# Altium PCB PCB.PcbDoc (part 3 of 3)
Units mil, origin at the board's own origin, x right, y up, seen from the top; angles counter-clockwise.
Board outline 3885.47 x 1391.81 mil, 4 copper layers (Top Layer, Mid Layer 1, Mid Layer 2, Bottom Layer), stack 39.339 mil thick; 184 components, 161 nets, 743 pads, 601 vias.
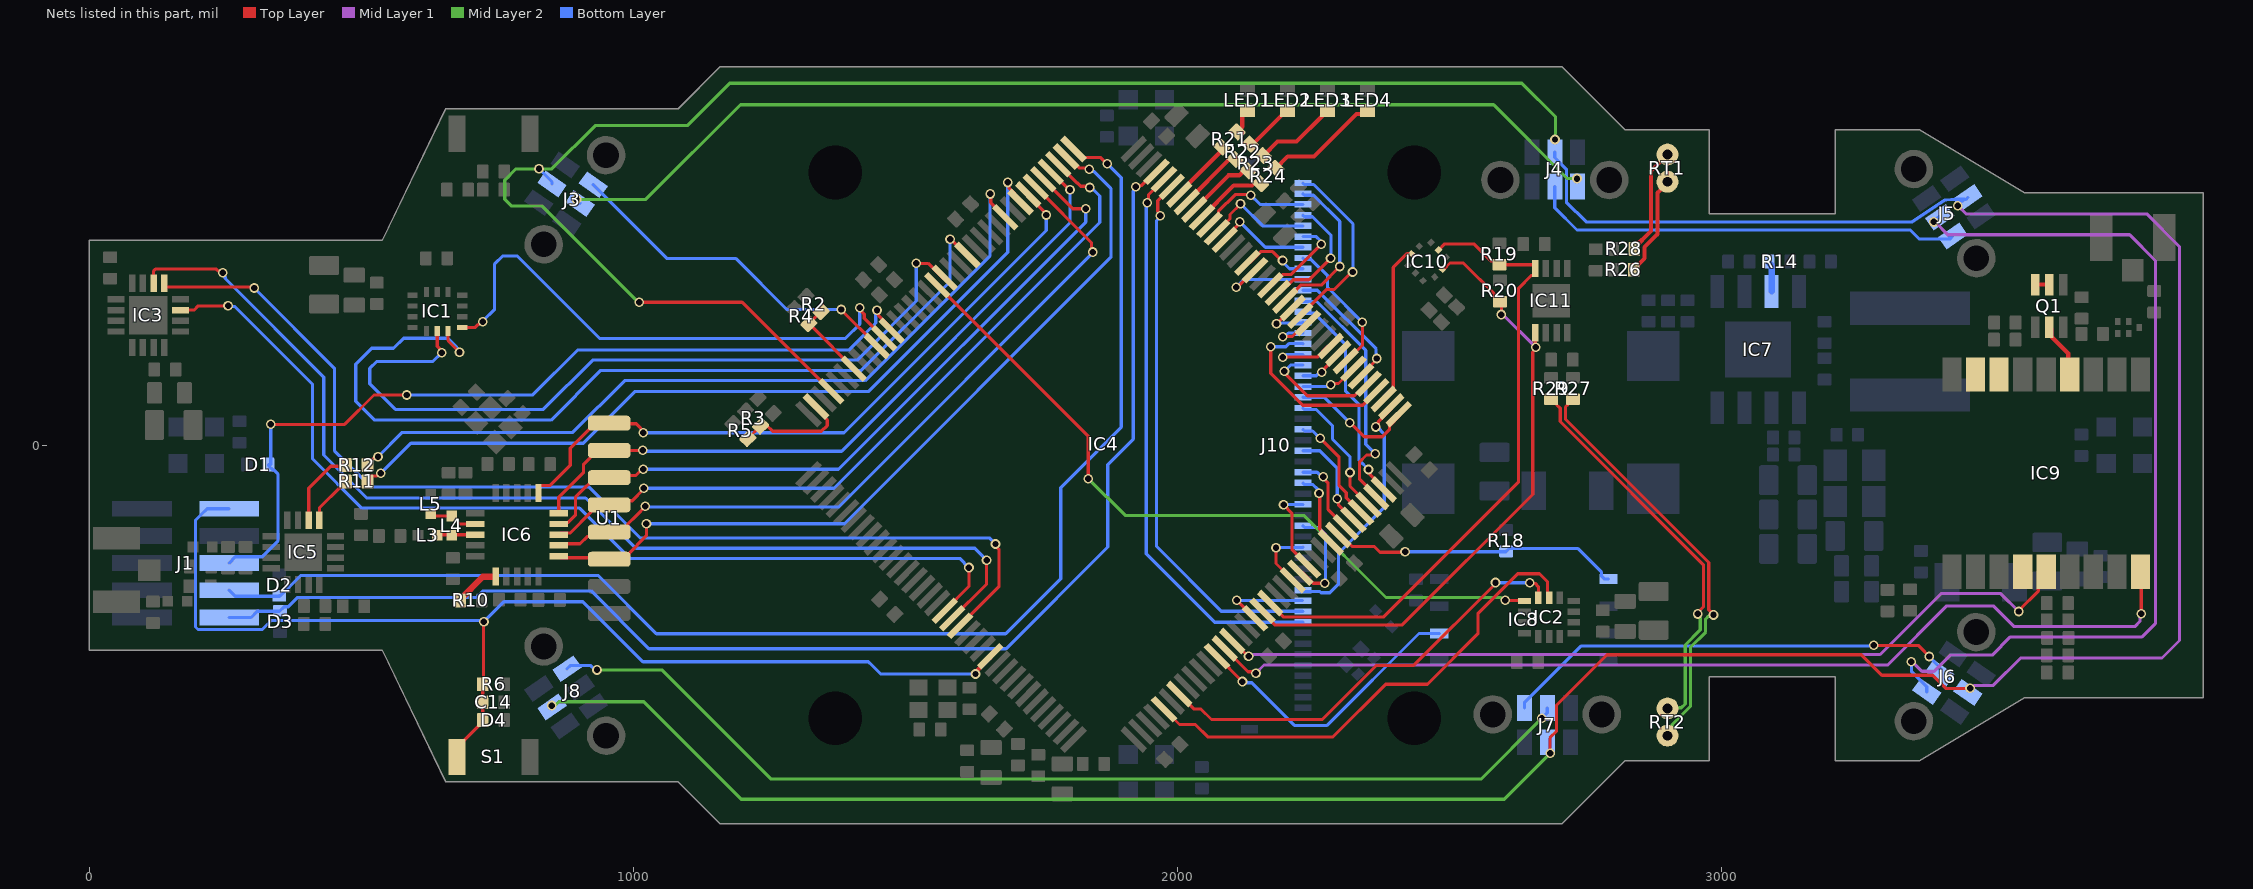
[diagram p5: the nets of this part, all layers, seen from the top]

## Via types
v1: diameter 17.72, hole 11.81, Top Layer to Bottom Layer, tented both sides, 601 vias

## Nets (pads, with @x,y where several pads share a name; then routed paths per layer and width w, separated by ;. In a path a pad name is that pad's centre, name@x,y a point inside that pad or via, vN(x,y) a via of type N, cw(c..) or ccw(c..) an arc to the next point about the centre after c; other vN are vias at no path point) (continued)
NetIC4_48: IC4.48 IC8.6 | length 531.2
  Top Layer w5.91: IC4.48@2072.87,-387.44 2072.87,-387.52 2119.49,-434.13 v1(2119.49,-434.21)
  Bottom Layer w5.91: v1(2119.49,-434.21) 2121.75,-436.47 2136.77,-436.47 2215.06,-514.76 2274.98,-514.76 2443.88,-345.87 IC8.6@2481.3,-345.87
NetIC4_49: IC4.49 IC9.9 | length 1864.6
  Top Layer w5.91: IC4.49@2086.79,-373.52 2129.65,-416.38 2142.05,-416.38 v1(2144.31,-418.64) ; IC9.9@3769.83,-232.28 3771.19,-233.64 v1(3771.19,-309.85)
  Mid Layer 1 w5.91: v1(2144.31,-418.64) 2159.15,-403.8 3305.27,-403.8 3413.8,-295.27 3499.59,-295.27 3537.61,-333.29 3759.35,-333.29 3768.93,-323.71 3768.93,-312.11 v1(3771.19,-309.85)
NetIC4_50: IC4.50 IC9.5 | length 1612.3
  Top Layer w5.91: IC4.50@2100.71,-359.6 2101.8,-359.6 2129.62,-387.42 v1(2130.72,-387.42) ; v1(3546.17,-305.47) 3546.17,-303.64 3581.84,-267.97 3581.84,-247.05 IC9.5@3596.61,-232.28
  Mid Layer 1 w5.91: v1(2130.72,-387.42) 2132.98,-385.16 2139.4,-385.16 2140.08,-384.49 3291.25,-384.49 3403.18,-272.55 3513.25,-272.55 v1(3546.17,-305.47)
NetIC4_53: IC4.53 J10.40 | length 168
  Top Layer w5.91: v1(2109.25,-284.62) IC4.53@2142.47,-317.84
  Bottom Layer w5.91: v1(2109.25,-284.62) 2109.83,-285.2 J10.40@2230.02,-285.2
NetIC4_54: IC4.54 IC10.2 IC11.5 R20.1 | length 1165.3
  Top Layer w5.91: IC4.54@2156.39,-303.92 2156.39,-307.43 2178.99,-330.02 2413.44,-330.02 2652.98,-90.49 2652.98,171.43 2658.46,176.92 v1(2658.46,180.12) ; IC10.2@2486.86,323.32 2489.3,323.32 2500.98,335 2525.2,335 2582.98,277.21 2582.98,271.75 2590.86,263.87 R20.1@2592.6,263.87 ; R20.1@2592.72,263.87 2594.69,263.87 2595.34,263.22 v1(2595.34,240.21) ; v1@2657.48,180.12 IC11.5@2657.48,206.69
  Mid Layer 1 w5.91: v1(2595.34,240.21) 2598.37,240.21 v1(2658.46,180.12)
NetIC4_55: IC4.55 IC10.4 IC11.4 R19.1 | length 1181.2
  Top Layer w5.91: IC4.55@2170.31,-290.01 2170.31,-290.9 2195.13,-315.72 2378.52,-315.72 2626.97,-67.28 2626.97,288.63 2650.34,312.01 2654.53,312.01 2657.48,314.96 IC11.4@2657.48,324.8 2657.48,328.83 2654.53,331.79 R19.1@2591.73,331.79 2584.7,338.82 2575.7,338.82 2544.53,369.99 2491.05,369.99 IC10.4@2479.87,358.81
NetIC4_58: IC4.58 J10.35 | length 122.8
  Top Layer w5.91: v1(2181.1,-187.99) 2181.1,-217.28 IC4.58@2212.07,-248.25
  Bottom Layer w5.91: v1(2181.1,-187.99) 2181.42,-187.67 2230.28,-187.67 J10.35@2230.6,-187.35
NetIC4_59: IC4.59 J10.33 | length 190.7
  Top Layer w5.91: IC4.59@2225.99,-234.33 2230.16,-234.33 2249.34,-253.51 v1(2270.42,-253.51)
  Bottom Layer w5.91: J10.33@2230.6,-147.98 2233.55,-150.94 2259.2,-150.94 2271.96,-163.7 2271.96,-251.96 v1(2270.42,-253.51)
NetIC4_60: IC4.60 J10.31 | length 165.4
  Top Layer w5.91: v1(2195.05,-109.5) 2210.43,-124.88 2210.43,-190.93 IC4.60@2239.91,-220.41
  Bottom Layer w5.91: v1(2195.05,-109.5) 2195.49,-109.06 2230.16,-109.06 J10.31@2230.6,-108.61
NetIC4_63: IC4.63 J10.29 | length 139.7
  Top Layer w5.91: v1(2260.19,-87.98) 2261.7,-89.49 2261.7,-154.51 2281.67,-174.47 IC4.63@2281.67,-178.65
  Bottom Layer w5.91: J10.29@2230.6,-69.24 2233.55,-72.2 2249.15,-72.2 2257.93,-80.98 2257.93,-85.72 v1(2260.19,-87.98)
NetIC4_64: IC4.64 IC8.1 R18.1 | length 540.1
  Top Layer w5.91: IC4.64@2295.59,-164.73 2299.76,-164.73 2321.02,-185.99 2361.66,-185.99 2372.21,-196.54 2417.64,-196.54 v1(2418.31,-195.87)
  Bottom Layer w5.91: v1(2418.31,-195.87) 2603.33,-195.87 2609.33,-189.87 2736.32,-189.87 2779.17,-232.71 2779.17,-239.96 2785.07,-245.87 IC8.1@2792.32,-245.87
NetIC4_65: IC4.65 J10.28 | length 151
  Top Layer w5.91: v1(2268.02,-57.8) 2268.02,-60.99 2276.93,-69.89 2276.93,-118.23 IC4.65@2309.5,-150.81
  Bottom Layer w5.91: J10.28@2230.6,-49.56 2256.59,-49.56 2264.83,-57.8 v1(2268.02,-57.8)
NetIC4_66: IC4.66 J10.26 | length 183.3
  Top Layer w5.91: v1(2293.66,-98.3) 2295.92,-100.56 2295.92,-109.39 IC4.66@2323.42,-136.89
  Bottom Layer w5.91: J10.26@2230.6,-10.19 2261.6,-10.19 2293.66,-42.25 v1(2293.66,-98.3)
NetIC4_67: IC4.67 J10.24 | length 205.3
  Top Layer w5.91: v1(2262.56,12.74) 2297.14,-21.85 2297.14,-74.18 2310.39,-87.43 2310.39,-96.5 IC4.67@2336.86,-122.97
  Bottom Layer w5.91: J10.24@2230.6,29.18 2233.55,26.23 2248.41,26.23 2261.9,12.74 v1(2262.56,12.74)
NetIC4_68: IC4.68 J10.22 | length 240.5
  Top Layer w5.91: v1(2317.17,-50.06) 2317.17,-74.96 IC4.68@2351.26,-109.05
  Bottom Layer w5.91: J10.22@2230.6,68.55 2233.55,65.6 2255.55,65.6 2284.92,36.23 2284.92,11.34 2317.17,-20.91 v1(2317.17,-50.06)
NetIC4_69: IC4.69 J10.12 | length 462.9
  Top Layer w5.91: v1(2363.49,-15.58) 2361.23,-17.84 2347.46,-17.84 2334.36,-30.95 2334.36,-61.44 2365.18,-92.27 IC4.69@2365.18,-95.13
  Bottom Layer w5.91: J10.12@2230.6,265.4 2231.91,264.09 2256.48,264.09 2346.23,174.34 2346.23,1.89 2363.49,-15.37 v1(2363.49,-15.58)
NetIC4_70: IC4.70 J10.13 | length 398.7
  Top Layer w5.91: v1(2351.09,-44.58) 2353.35,-46.84 2353.35,-53.38 2379.1,-79.13 IC4.70@2379.1,-81.21
  Bottom Layer w5.91: J10.13@2230.6,245.72 2233.06,243.25 2250.51,243.25 2309.06,184.71 2309.06,99.41 2333.86,74.6 2333.86,-27.35 v1(2351.09,-44.58)
NetIC4_73: IC4.73 J10.21 | length 229.7
  Top Layer w5.91: v1(2316.68,41.71) 2317.76,41.71 2343.65,15.82 2376.07,15.82 2389.85,29.6 2389.85,36.05 2406.94,53.14 IC4.73@2406.94,57.31
  Bottom Layer w5.91: J10.21@2230.6,88.24 2270.15,88.24 v1(2316.68,41.71)
NetIC4_74: IC4.74 J10.39 | length 456.5
  Top Layer w5.91: v1(2364.25,33.7) 2366.02,33.7 2368.99,36.68 2368.99,43.03 2393.02,67.06 IC4.74@2393.02,71.23
  Bottom Layer w5.91: J10.39@2230.6,-266.09 2233.48,-268.98 2261.89,-268.98 2264.05,-271.14 2279.88,-271.14 2296.17,-254.85 2296.17,-197.93 2380.22,-113.89 2380.22,20.44 2366.96,33.7 v1(2364.25,33.7)
NetIC4_75: IC4.75 IC10.7 | length 293.4
  Top Layer w5.91: IC4.75@2379.1,85.15 2379.1,89.33 2396.78,107 2396.78,326.92 2421.74,351.88 2426.98,351.88 2427.33,352.23 2427.68,351.88 IC10.7@2430.46,351.88
NetIC4_76: IC4.76 J10.16 | length 339.5
  Top Layer w5.91: v1(2171.51,181.24) 2171.51,132.35 2230.28,73.58 2340.65,73.58 2365.18,98.12 IC4.76@2365.18,99.07
  Bottom Layer w5.91: v1(2171.51,181.24) 2199.26,181.24 2204.86,186.84 2230.43,186.84 J10.16@2230.6,186.66
NetIC4_77: IC4.77 J10.18 | length 222.9
  Top Layer w5.91: v1(2196.66,136.22) 2196.66,133.05 2238.84,90.87 2325.36,90.87 2347.48,112.99 IC4.77@2351.26,112.99
  Bottom Layer w5.91: v1(2196.66,136.22) 2207.73,147.29 J10.18@2230.6,147.29
NetIC4_78: IC4.78 J10.11 | length 241.9
  Top Layer w5.91: IC4.78@2337.34,126.91 2337.34,128.78 2366.14,157.58 v1(2366.14,159.45)
  Bottom Layer w5.91: J10.11@2230.6,285.09 2257.24,285.09 2365.16,177.17 2365.16,160.43 v1(2366.14,159.45)
NetIC4_79: IC4.79 J10.20 | length 106.5
  Top Layer w5.91: v1(2281.5,111.22) 2283.76,113.48 2296.08,113.48 IC4.79@2323.42,140.83
  Bottom Layer w5.91: J10.20@2230.6,107.92 2275,107.92 2278.3,111.22 v1(2281.5,111.22)
NetIC4_80: IC4.80 J10.8 | length 255.8
  Top Layer w5.91: IC4.80@2309.5,154.75 2311.33,154.75 2339.97,183.38 v1(2339.97,226.02)
  Bottom Layer w5.91: J10.8@2230.6,344.14 2233.55,341.19 2246.21,341.19 2275.97,311.43 2275.97,290.02 v1(2339.97,226.02)
NetIC4_81: IC4.81 J10.19 | length 84.4
  Top Layer w5.91: v1(2265.24,134.28) 2265.24,136.3 2295.59,166.64 IC4.81@2295.59,168.67
  Bottom Layer w5.91: J10.19@2230.6,127.61 2255.37,127.61 2262.05,134.28 v1(2265.24,134.28)
NetIC4_82: IC4.82 J10.17 | length 135.5
  Top Layer w5.91: v1(2193.67,162.07) 2256.97,162.07 2277.49,182.59 IC4.82@2281.67,182.59
  Bottom Layer w5.91: v1(2193.67,162.07) 2196.86,162.07 2201.77,166.98 J10.17@2230.6,166.98
NetIC4_85: IC4.85 J10.15 | length 96.3
  Top Layer w5.91: v1(2193.72,199.35) 2194.42,200.05 2211.44,200.05 2235.73,224.35 IC4.85@2239.91,224.35
  Bottom Layer w5.91: v1(2193.72,199.35) 2196.92,199.35 2203.91,206.35 J10.15@2230.6,206.35
NetIC4_86: IC4.86 J10.1 | length 341
  Top Layer w5.91: IC4.86@2225.99,238.26 2274.15,286.43 2288.7,286.43 2320.68,318.41 v1(2321.82,318.41)
  Bottom Layer w5.91: J10.1@2230.6,481.94 2233.27,479.26 2250.29,479.26 2322.69,406.86 2322.69,319.28 v1(2321.82,318.41)
NetIC4_87: IC4.87 J10.14 | length 91.5
  Top Layer w5.91: v1(2182.09,223.43) 2182.7,223.43 2211.46,252.18 IC4.87@2212.07,252.18
  Bottom Layer w5.91: v1(2182.09,223.43) 2183.39,224.73 2229.29,224.73 J10.14@2230.6,226.03
NetIC4_88: IC4.88 J10.2 | length 297.3
  Top Layer w5.91: IC4.88@2198.15,266.1 2226.35,294.31 2264.14,294.31 v1(2298.39,328.56)
  Bottom Layer w5.91: J10.2@2230.6,462.25 2233.46,459.39 2250.11,459.39 2298.14,411.36 2298.14,350.47 ; v1@2298.15,328.82 2298.15,350.47
NetIC4_89: IC4.89 J10.4 | length 233.2
  Top Layer w5.91: IC4.89@2184.23,280.02 2188.41,280.02 2212.53,304.15 2242.03,304.15 v1(2281.42,343.54)
  Bottom Layer w5.91: J10.4@2230.6,422.88 2233.55,419.93 2248.24,419.93 2282.27,385.9 2282.27,344.39 v1(2281.42,343.54)
NetIC4_90: IC4.90 J10.6 | length 167.9
  Top Layer w5.91: IC4.90@2170.31,293.94 2174.49,293.94 2194.54,313.99 2209.13,313.99 v1(2264.34,369.2)
  Bottom Layer w5.91: J10.6@2230.6,383.51 2255.2,383.51 2262.08,376.63 2262.08,371.46 v1(2264.34,369.2)
NetIC4_92: IC4.92 J10.10 | length 175.5
  Top Layer w5.91: v1(2108.27,290.35) 2109.66,290.35 2141.08,321.78 IC4.92@2142.47,321.78
  Bottom Layer w5.91: v1(2108.27,290.35) 2122.69,304.77 J10.10@2230.6,304.77
NetIC4_93: IC4.93 J10.9 | length 124.9
  Top Layer w5.91: IC4.93@2128.55,335.7 2132.73,335.7 2152.89,355.87 2174.81,355.87 2191.59,339.08 v1@2193.17,339.08
  Bottom Layer w5.91: v1(2193.17,339.57) 2193.17,337.28 2205.99,324.46 J10.9@2230.6,324.46
NetIC4_96: IC4.96 J10.7 | length 180.2
  Top Layer w5.91: IC4.96@2086.79,377.46 2086.79,380.17 2114.7,408.08 v1(2114.7,410.79)
  Bottom Layer w5.91: v1(2114.7,410.79) 2161.67,363.83 J10.7@2230.6,363.83
NetIC4_97: IC4.97 J10.5 | length 202
  Top Layer w5.91: IC4.97@2072.87,391.38 2072.87,392.47 2096.68,416.27 2096.68,424.07 2115.93,443.33 v1(2115.93,443.98)
  Bottom Layer w5.91: v1(2115.93,443.98) 2156.72,403.2 J10.5@2230.6,403.2
NetIC4_98: IC4.98 J10.3 | length 206.9
  Top Layer w5.91: IC4.98@2058.96,405.3 2075.31,421.65 2075.31,429.76 2106.29,460.74 2133.61,460.74 v1(2134.61,459.74)
  Bottom Layer w5.91: v1(2134.61,459.74) 2151.78,442.57 J10.3@2230.6,442.57
NetIC4_99: IC4.99 R24.1 | length 134.6
  Top Layer w7.87: IC4.99@2045.04,419.22 2103.27,477.45 2136.9,477.45 2141.77,482.33 2151.52,482.33 R24.1@2152.91,480.93
NetIC4_100: IC4.100 R23.1 | length 128.5
  Top Layer w7.87: IC4.100@2031.12,433.14 2094.04,496.06 2113.6,496.06 2121.93,504.39 R23.1@2130.08,504.39
NetIC4_101: IC4.101 R22.1 | length 121.5
  Top Layer w7.87: IC4.101@2017.2,447.06 2095.96,525.82 2105.7,525.82 R22.1@2105.99,525.53
NetIC4_102: IC4.102 R21.1 | length 119.7
  Top Layer w7.87: IC4.102@2003.28,460.98 2003.28,463.76 2081.84,542.32 R21.1@2081.84,548.12
NetIC4_103: IC4.103 J10.41 | length 995
  Top Layer w5.91: v1(1968.73,421.93) 1968.73,425.12 1963.87,429.98 1963.87,449.41 IC4.103@1989.36,474.89
  Bottom Layer w5.91: v1(1968.73,421.93) 1968.73,419.76 1961.53,412.56 1961.53,-185.94 2080.51,-304.92 2230.06,-304.92 J10.41@2230.6,-305.46
NetIC4_104: IC4.104 J10.42 | length 1041.9
  Top Layer w5.91: v1(1944.39,445.97) 1946.65,448.23 1946.65,459.91 1975.44,488.69 IC4.104@1975.44,488.81
  Bottom Layer w5.91: v1(1944.39,445.97) 1942.67,444.25 1942.67,-199.56 2068.26,-325.15 J10.42@2230.6,-325.15
NetIC4_110: IC4.110 IC6.1 U1.3 | length 1493.4
  Top Layer w5.91: IC6.1@863.19,-203.74 866.04,-206.59 952.85,-206.59 U1.3@955.71,-209.45 965.17,-199.99 990.76,-199.99 1024.2,-166.54 v1(1024.2,-144.37) ; IC4.110@1795.15,530.57 1799.33,530.57 1820.55,509.35 1835.6,509.35 v1(1837.86,507.09)
  Bottom Layer w5.91: v1(1024.2,-144.37) 1388.11,-144.37 1877.82,345.34 1877.82,472.09 1846.96,502.95 1845.2,502.95 1841.06,507.09 v1(1837.86,507.09)
NetIC4_111: IC4.111 IC6.3 U1.5 | length 1360.8
  Top Layer w5.91: IC6.3@863.19,-164.37 866.14,-161.42 883.72,-161.42 921.72,-123.41 921.72,-119.98 U1.5@932.84,-108.86 ; U1.5@955.71,-109.45 963.29,-101.86 997.95,-101.86 1019.45,-80.37 v1(1019.45,-78.97) ; IC4.111@1781.23,516.65 1816.17,481.72 1816.64,481.72 1822.39,475.97 1836.59,475.97 v1(1838.85,473.71)
  Bottom Layer w5.91: v1(1019.45,-78.97) 1368.86,-78.97 1857.17,409.34 1857.17,458.16 1841.62,473.71 v1(1838.85,473.71)
NetIC4_112: IC4.112 IC6.5 U1.7 | length 1297.9
  Top Layer w5.91: IC6.5@863.19,-125 863.19,-95.42 908.77,-49.84 908.77,-34.6 933.92,-9.45 U1.7@955.71,-9.45 ; U1.7@955.71,-9.45 v1@1017.47,-9.42 ; IC4.112@1767.32,502.73 1768.5,502.73 1801.45,469.79 v1(1802.64,469.79)
  Bottom Layer w5.91: v1(1017.5,-9.4) 1018.93,-10.83 1382.87,-10.83 1802.64,408.93 v1(1802.64,469.79)
NetIC4_113: IC4.113 IC6.4 U1.6 | length 1346.1
  Top Layer w5.91: IC6.4@863.19,-144.69 866.14,-141.73 880.81,-141.73 893.7,-128.85 893.7,-95.87 938.37,-51.2 942.77,-55.6 1004.9,-55.6 1016.32,-44.19 v1(1018.55,-44.19) ; IC4.113@1753.4,488.81 1807.51,434.7 1831.29,434.7 v1(1831.4,434.81)
  Bottom Layer w5.91: v1(1018.55,-44.19) 1377.07,-44.19 1831.4,410.14 v1(1831.4,434.81)
NetIC4_114: IC4.114 IC6.2 U1.4 | length 1372.8
  Top Layer w5.91: IC6.2@863.19,-184.06 866.14,-181.1 880.29,-181.1 880.43,-180.96 902.11,-180.96 915.23,-167.85 947.31,-167.85 U1.4@955.71,-159.45 979.17,-159.45 989.7,-148.92 989.7,-144.75 1006.16,-128.28 1022,-112.44 v1(1022,-111.8) ; IC4.114@1739.48,474.89 1842.01,372.36 1842.01,357.35 v1(1844.27,355.09)
  Bottom Layer w5.91: v1(1022,-111.8) 1023.76,-113.56 1377.13,-113.56 1844.27,353.58 v1(1844.27,355.09)
NetIC4_115: IC4.115 IC6.6 U1.8 | length 1254.2
  Top Layer w5.91: IC6.6@825.79,-87.6 825.79,-76.77 828.74,-73.82 847.24,-73.82 884.26,-36.8 884.26,-5.31 930.12,40.55 U1.8@955.71,40.55 956.79,39.47 1005.49,39.47 1009.66,35.29 1009.66,34.96 1018.34,26.28 v1(1018.34,23.09) ; IC4.115@1725.56,460.98 1725.56,458.75 1758.86,425.45 v1(1758.86,423.23)
  Bottom Layer w5.91: v1(1018.34,23.09) 1387.26,23.09 1758.86,394.69 v1(1758.86,423.23)
NetIC4_116: IC4.116 R11.1 | length 1526.5
  Top Layer w5.91: R11.1@511.45,-66.49 511.45,-64.52 519.32,-56.64 527.61,-56.64 533.03,-51.22 v1(536.22,-51.22) ; v1(1688.31,483.04) 1690.57,480.78 1690.57,472.3 1711.64,451.23 IC4.116@1711.64,447.06
  Bottom Layer w5.91: v1(536.22,-51.22) 591.25,3.8 908.35,3.8 1003.49,98.95 1432.61,98.95 1688.31,354.65 v1(1688.31,483.04)
NetIC4_118: IC4.118 R12.1 | length 1472.5
  Top Layer w5.91: R12.1@511.45,-36.49 511.45,-34.52 522.66,-23.31 528.62,-23.31 v1(530.88,-21.05) ; v1(1655.69,461.88) 1657,460.57 1657,446.01 IC4.118@1683.8,419.22
  Bottom Layer w5.91: v1(530.88,-21.05) 575.55,23.62 888.78,23.62 984,118.85 1425.93,118.85 1655.69,348.6 v1(1655.69,461.88)
NetIC4_138: IC4.138 R2.1 R4.2 | length 152.2
  Top Layer w5.91: R4.2@1322.53,223.45 1322.72,223.45 R4.2@1328.76,229.49 ; R2.1@1345.16,245.68 1344.96,245.68 R4.2@1328.76,229.49 ; IC4.138@1405.41,140.83 1405.41,140.97 1328.76,217.62 R4.2@1328.76,229.49
NetIC4_143: IC4.143 R3.1 R5.2 | length 207.6
  Top Layer w5.91: R5.2@1210.7,12.43 1210.79,12.43 1233.16,34.81 1233.24,34.81 1234.63,36.2 1245.77,36.2 1256.25,25.72 1345.8,25.72 1356.27,36.18 1356.27,46.6 1335.81,67.06 IC4.143@1335.81,71.23
NetIC5_5: IC5.5 R11.2 | length 90.7
  Top Layer w5.91: IC5.5@423.23,-137.8 423.23,-115.32 462.22,-76.32 464.19,-76.32 R11.2@472.06,-68.45
NetIC5_6: IC5.6 R12.2 | length 144.3
  Top Layer w5.91: IC5.6@403.54,-137.8 403.54,-78.7 443.79,-38.45 R12.2@472.06,-38.45
NetIC6_12: IC6.12 L4.2 L5.1 | length 89.4
  Top Layer w6.16: L5.1@627.95,-125.98 631.89,-129.92 665.29,-129.92 680.05,-144.69 IC6.12@709.65,-144.69
NetIC6_13: IC6.13 L3.1 L4.1 | length 68.9
  Top Layer w6.16: L3.1@640.75,-164.37 IC6.13@709.65,-164.37
NetIC6_16: IC6.16 R10.2 | length 82.9
  Top Layer w11.81: R10.2@681.98,-283.26 723.43,-241.81 747.05,-241.81 IC6.16@747.05,-241.14
NetIC7_7: IC7.7 R14.1 | length 55
  Bottom Layer w11.81: R14.1@3086.79,335.56 3092.02,330.34 IC7.7@3092.02,282.69
NetIC9_4: IC9.4
NetIC9_13: IC9.13 Q1.2 | length 96.6
  Top Layer w7.87: Q1.2@3606.3,212.6 3606.3,199.49 3637.18,168.62 3637.18,132.66 IC9.13@3639.91,129.92
NetIC9_16: IC9.16
NetIC9_17: IC9.17
NetJ3_5: J3.5 J4.6 | length 1977.3
  Mid Layer 2 w5.91: v1(895.67,451.77) 1022.76,451.77 1196.98,625.98 2581,625.98 2716.81,490.18 v1(2734.27,490.18)
  Bottom Layer w5.91: v1(895.67,451.77) 902.19,445.25 J3.5@902.19,444.22
NetJ4_5: J4.5 J5.6 | length 804.4
  Bottom Layer w5.91: J4.5@2693.43,475.76 2693.43,473.94 2693.43,436.49 2734.31,395.62 3347.07,395.62 3363.71,378.98 3419.54,378.98 J5.6@3425.19,384.62 3419.07,384.62 J5.6@3418.31,383.86
NetJ5_5: J5.5 J6.6 | length 1678.4
  Mid Layer 1 w5.91: v1(3348.43,-397.64) 3350.52,-397.69 3368.08,-415.25 3390.49,-415.25 3420.09,-385.65 3450.63,-385.65 3497.32,-385.65 3530.78,-352.18 3772.82,-352.18 3797.24,-327.76 3797.24,339.57 3749.8,387.02 3415.66,387.02 3392.24,410.43 v1(3389.76,410.43)
  Bottom Layer w5.91: v1(3348.43,-397.64) 3348.78,-397.99 3348.78,-415.35 3377.05,-443.63 J6.6@3377.05,-452.84 ; v1(3389.76,410.43) 3398.49,419.16 J5.5@3401,419.16
NetJ6_5: J6.5 J7.6 | length 844.2
  Top Layer w5.91: v1(3279.59,-367.75) 3361.33,-367.75 3364.8,-371.21 v1(3381.81,-388.23)
  Bottom Layer w5.91: J7.6@2637.66,-482.8 2637.66,-472.96 2661.21,-449.41 2704.59,-406.02 2741.52,-369.09 3278.25,-369.09 v1(3279.59,-367.75) ; v1(3381.81,-388.23) 3381.81,-388.94 3401.24,-408.37 J6.5@3401.24,-418.3
NetJ7_5: J7.5 J8.6 | length 1949.5
  Mid Layer 2 w5.91: v1(933.28,-412.89) 1052.65,-412.89 1253.21,-613.44 2557.82,-613.44 v1(2669.29,-501.97)
  Bottom Layer w5.91: J8.6@878.23,-410.61 883.87,-404.96 922.15,-404.96 930.08,-412.89 v1(933.28,-412.89) ; v1(2669.29,-501.97) 2679.82,-491.44 J7.5@2679.82,-482.8
NetLED1_1: LED1.1 R21.2 | length 48.4
  Top Layer w7.87: R21.2@2109.69,575.97 2119.09,585.33 2119.09,607.28 2126.97,615.16 LED1.1@2128.94,615.16
NetLED2_1: LED2.1 R22.2 | length 96.2
  Top Layer w7.87: R22.2@2133.84,553.38 2136.26,550.96 2200.46,615.16 LED2.1@2202.43,615.16
NetLED3_1: LED3.1 R23.2 | length 153.5
  Top Layer w7.87: R23.2@2157.94,532.24 2183.81,558.07 2218.83,558.07 2266.08,605.31 2266.08,607.28 2273.95,615.16 LED3.1@2275.92,615.16
NetLED4_1: LED4.1 R24.2 | length 212.7
  Top Layer w7.87: R24.2@2180.76,508.78 2202.53,530.51 2250.98,530.51 2329.25,608.77 2343.03,608.77 LED4.1@2349.41,615.16
NetQ1_5: Q1.5 Q1.6 | length 25.6
  Top Layer w7.87: Q1.6@3576.77,295.28 Q1.5@3602.36,295.28
NetR26_2: R26.2 RT1.2 | length 187.7
  Top Layer w7.87: R26.2@2838.69,322.63 2838.69,324.6 2845.58,331.49 2846.37,331.49 2858.38,343.5 2858.38,364.15 2882.29,388.07 2882.29,463.92 2900.59,482.22 RT1.2@2900.59,484.25
NetR27_2: R27.2 RT2.2 | length 776.9
  Top Layer w5.91: R27.2@2727.16,84.54 2725.19,84.54 2717.32,76.66 2717.32,74.69 2713.19,70.56 2713.19,47.81 2976.38,-215.38 2976.38,-302.44 2985.2,-311.27 v1(2985.2,-311.81)
  Mid Layer 2 w5.91: RT2.2@2900.7,-533.57 2900.7,-524.28 2909.38,-515.6 2909.38,-513.09 2942.91,-479.56 2942.91,-371.06 2970.67,-343.31 2970.67,-338.85 2970.67,-319.21 2975.81,-314.07 2982.94,-314.07 v1(2985.2,-311.81)
NetR28_2: R28.2 RT1.1 | length 198.5
  Top Layer w7.87: R28.2@2839.68,361.02 2839.68,362.99 2870.48,393.79 2870.48,504.14 RT1.1@2900.59,534.25
NetR29_2: R29.2 RT2.1 | length 730.4
  Top Layer w5.91: R29.2@2686.81,84.54 2688.77,84.54 2696.65,76.66 2696.65,74.69 2703.34,68 2703.34,43.73 2966.54,-219.46 2966.54,-297.2 2956.22,-307.52 v1(2956.22,-310)
  Mid Layer 2 w5.91: RT2.1@2900.7,-483.57 2901.94,-482.33 2926.22,-482.33 2933.07,-475.48 2933.07,-366.99 2960.83,-339.23 2960.83,-317.81 2956.22,-313.19 v1(2956.22,-310)
nRST: C14.2 D4.1 IC4.25 J1.10 R6.1 S1.2 | length 2093.2
  Top Layer w5.91: S1.2@676.18,-572.83 676.18,-555.12 723.52,-507.78 723.52,-472.24 R6.1@723.52,-439.17 724.54,-438.16 724.54,-325.13 v1(725.56,-324.12)
  Top Layer w7.87: v1(1628.94,-420.28) 1630.82,-418.39 1630.82,-415.37 1655.96,-390.23 IC4.25@1655.96,-387.44
  Bottom Layer w5.91: J1.10@257.28,-116.54 250.49,-116.54 228.05,-116.54 216.84,-116.54 216.84,-116.62 205.31,-128.15 205.23,-128.15 195.47,-137.91 195.47,-333.96 200,-338.49 318.5,-338.49 335.02,-321.97 723.41,-321.97 v1(725.56,-324.12) 762.18,-287.49 907.48,-287.49 1017.63,-397.64 1432.09,-397.64 1439.67,-405.22 1454.72,-420.28 v1(1628.94,-420.28)
SPI1_MISO: IC1.1 IC4.134 | length 1008.2
  Top Layer w5.91: IC1.1@689.98,216.54 709.77,216.54 720.36,227.12 v1(723.56,227.12) ; v1(1416.11,252.51) 1416.11,249.31 1424.49,240.93 1424.49,233.1 IC4.134@1461.09,196.51
  Bottom Layer w5.91: v1(723.56,227.12) 723.56,228.36 745.19,250 745.19,333.24 759.78,347.83 786.65,347.83 938.21,196.26 1389.69,196.26 1416.11,222.69 v1(1416.11,252.51)
SPI1_MOSI: IC1.14 IC4.123 | length 1673.5
  Top Layer w5.91: IC1.14@659.45,210.16 659.45,192.3 v1(680.58,171.17) ; v1(1582.12,378.85) 1583.55,378.85 1612.77,349.62 IC4.123@1614.2,349.62
  Bottom Layer w5.91: v1(680.58,171.17) 680.58,174.37 676.09,178.86 676.09,179.93 659.16,196.85 577.95,196.85 559.41,178.3 519.24,178.3 490.16,149.23 490.16,80.71 524.61,46.26 848.93,46.26 940.26,137.59 1419.08,137.59 1582.12,300.62 v1(1582.12,378.85)
SPI1_SCK: IC1.13 IC4.126 | length 1454.3
  Top Layer w5.91: IC1.13@639.76,210.16 639.76,181.67 647.87,173.56 v1(647.87,170.36) ; v1(1520.1,334.28) 1541.85,334.28 1568.27,307.86 IC4.126@1572.44,307.86
  Bottom Layer w5.91: v1(647.87,170.36) 631.43,153.92 528.49,153.92 515.77,141.21 515.77,112.94 562.77,65.94 834.65,65.94 925.23,156.53 1411.45,156.53 1520.1,265.18 v1(1520.1,334.28)
SPI5_MISO: IC3.6 IC4.20 | length 1996.6
  Top Layer w5.91: IC3.6@118.4,297.67 118.4,320.36 121.86,323.82 233.97,323.82 238.6,319.19 243.31,319.19 v1(245.57,316.93) ; IC4.20@1586.36,-317.84 1649.21,-255 v1(1649.21,-211.13)
  Bottom Layer w5.91: v1(245.57,316.93) 245.57,313.73 250.07,309.23 250.07,306.49 431.18,125.38 431.18,-17.8 510.35,-96.96 912.43,-96.96 1004.76,-189.28 1627.36,-189.28 v1(1649.21,-211.13)
SPI5_MOSI: IC3.5 IC4.21 | length 1999.5
  Top Layer w5.91: IC3.5@138.09,297.67 138.09,293.84 141.04,290.89 301.34,290.89 v1(303.14,289.1) ; IC4.21@1600.28,-331.76 1671.97,-260.08 1671.97,-190.83 1665.61,-184.47 v1(1665.61,-181.46)
  Bottom Layer w5.91: v1(303.14,289.1) 450.79,141.45 450.79,-9.84 517.38,-76.43 918.52,-76.43 1012.33,-170.25 1654.39,-170.25 v1(1665.61,-181.46)
SPI5_SCK: IC3.3 IC4.19 | length 1829.4
  Top Layer w5.91: IC3.3@167.61,248.46 192.7,248.46 200.44,256.19 v1(255.28,256.19) ; IC4.19@1572.44,-303.92 1616.89,-259.48 v1(1616.89,-224.72)
  Bottom Layer w5.91: v1(255.28,256.19) 256.37,255.1 267.56,255.1 410.43,112.23 410.43,-24.61 501.34,-115.51 901.3,-115.51 993.61,-207.82 1599.99,-207.82 v1(1616.89,-224.72)
SPI6_MISO: IC2.1 IC4.127 | length 1365
  Top Layer w5.91: IC4.127@1558.52,293.94 1836.03,16.43 v1(1836.03,-61.2) ; v1(2602.59,-284.75) 2603.3,-285.46 2637.05,-285.46 IC2.1@2637.76,-286.17
  Mid Layer 2 w5.91: v1(1836.03,-61.2) 1903.74,-128.91 2232.43,-128.91 2383.26,-279.74 2594.38,-279.74 2599.39,-284.75 v1(2602.59,-284.75)
SPI6_MOSI: IC2.14 IC4.43 | length 808.4
  Top Layer w5.91: IC4.43@2003.28,-457.04 2031,-484.76 2043.38,-484.76 2062.56,-503.94 2266.44,-503.94 2365.85,-404.53 2434.23,-404.53 2584.54,-254.22 v1(2584.54,-252.29) ; v1(2647.64,-252.95) 2648.62,-253.94 2657.48,-253.94 2663.35,-259.81 IC2.14@2663.35,-280.27
  Bottom Layer w5.91: v1(2584.54,-252.29) 2584.87,-252.62 2647.31,-252.62 v1(2647.64,-252.95)
SPI6_SCK: IC2.13 IC4.41 | length 908.3
  Top Layer w5.91: IC4.41@1975.44,-484.88 2003.76,-513.19 2032.81,-513.19 2055.64,-536.02 2285.83,-536.02 2382.87,-438.98 2459.65,-438.98 2552.17,-346.46 2552.17,-309.44 2625.38,-236.22 2665.32,-236.22 2680.09,-250.98 2680.09,-277.31 IC2.13@2683.04,-280.27
SWCLK: D2.1 IC4.109 J1.4 | length 2527.7
  Top Layer w5.91: IC4.109@1809.07,544.49 1825.43,528.14 1829.6,528.14 1830.51,529.04 1858.11,529.04 1869.92,517.23 v1(1871.35,517.23)
  Bottom Layer w5.91: J1.4@257.28,-266.54 268.31,-277.56 D2.1@349.41,-277.56 ; D2.1@349.41,-276.48 351.38,-276.48 388.5,-239.35 935.43,-239.35 1042.53,-346.46 1684.24,-346.46 1785.43,-245.26 1785.43,-77.76 1896.65,33.46 1896.65,491.93 v1(1871.35,517.23)
SWDIO: D3.1 IC4.105 J1.2 | length 2489.4
  Top Layer w5.91: v1(1923.28,475) 1925.54,477.26 1933.4,477.26 1958.88,502.73 IC4.105@1961.52,502.73
  Bottom Layer w5.91: J1.2@257.28,-316.54 297.64,-316.54 309.07,-305.11 349.9,-305.11 358.46,-296.55 366.13,-296.55 383.16,-279.53 712.6,-279.53 724.41,-267.72 922.4,-267.72 1028.7,-374.02 1685.04,-374.02 1872.05,-187.01 1872.05,-35.43 1918.88,11.4 1918.88,467.41 1923.28,471.8 v1(1923.28,475)
SWO: D1.1 IC4.133 J1.6 | length 1590.6
  Top Layer w5.91: v1(333.66,38.39) 469.45,38.39 523.47,92.41 v1(583.78,92.41) ; v1(1447.94,247.85) 1450.2,245.59 1450.2,239.2 1475.01,214.39 IC4.133@1475.01,210.43
  Bottom Layer w5.91: J1.6@257.28,-216.54 268.84,-204.98 317.98,-204.98 346.84,-176.12 346.84,-52.64 339.47,-45.28 337.5,-45.28 329.63,-37.4 D1.1@329.63,-35.43 ; D1.1@333.66,-35.43 v1(333.66,38.39) ; v1@584.01,92.64 815.23,92.64 897.53,174.93 1395.83,174.93 1445.68,224.78 1445.68,245.59 v1(1447.94,247.85)
TOF_EN: IC4.135 J3.6 | length 644.5
  Top Layer w5.91: v1(1382.04,249.47) 1382.04,248.59 1447.17,183.46 IC4.135@1447.17,182.59
  Bottom Layer w5.91: J3.6@926.37,478.76 1061.62,343.5 1187.99,343.5 1282.03,249.47 v1(1382.04,249.47)
TOF_INT: IC4.141 J3.2 J4.2 J5.2 J6.2 J7.2 J8.2 | length 8221.7
  Top Layer w5.91: v1(1010.83,262.8) 1199.93,262.8 IC4.141@1363.65,99.07 ; v1(2685.44,-566.07) 2684.53,-565.16 2684.53,-537.7 2696.62,-525.6 2696.62,-477.81 2789.45,-384.98 3256.86,-384.98 3294.66,-422.77 3388.13,-422.77 3412.15,-446.78 v1(3456.66,-446.78)
  Mid Layer 1 w5.91: v1(3433.98,440.42) 3449.25,425.15 3781.54,425.15 3841.54,365.16 3841.54,-358.8 3809.4,-390.93 3549.86,-390.93 3499.43,-441.35 3465.29,-441.35 3459.86,-446.78 v1(3456.66,-446.78)
  Mid Layer 2 w5.91: v1(850.39,-478.35) 852.65,-476.09 858.76,-476.09 863.44,-471.4 1019.31,-471.4 1198.45,-650.55 2600.96,-650.55 v1(2685.44,-566.07) ; v1@1010.83,263.78 1008.35,263.78 832.17,439.96 775.59,439.96 763.78,451.77 763.78,487.2 784.53,507.95 v1(826.67,507.95) 850.47,507.95 929.98,587.46 1099.27,587.46 1177.17,665.35 2632.87,665.35 2694.88,603.35 2694.88,566.93 2693.9,565.94 v1(2693.9,562.01)
  Bottom Layer w5.91: v1(826.67,507.95) 850.59,484.03 J3.2@850.59,480.35 ; J4.2@2693.43,538.75 2693.43,528.91 2714.93,507.41 2714.93,446.49 2751.01,410.4 3350.32,410.4 3408.6,449.71 cw(c3412.45,444) 3411.89,450.86 3413.52,451 3429.46,452.31 3442.78,452.03 3446.54,452.03 3443.75,449.23 3442.78,449.23 v1(3433.98,440.42) ; J5.2@3449.34,452.03 J5.2@3452.6,455.29
pads on no net: D9.1 IC1.2 IC1.3 IC1.10 IC1.11 IC4.2 IC4.3 IC4.4 IC4.7 IC4.8 IC4.9 IC4.13 IC4.14 IC4.15 IC4.26 IC4.27 IC4.91 IC4.122 IC4.124 IC4.128 IC4.129 IC4.132 IC4.139 IC4.142 IC5.13 IC5.14 IC7.4 IC9.15 IC9.18 J1.7 J8.5 J10.43 J10.44 J10.45 J10.51 J10.52 M1.1 M2.1 M3.1 M4.1

## Polygon pours and split planes (outlines as drawn)
GND on Bottom Layer "GND_L04_P008" (solid, remove dead copper, pour order 8): 655.05,-618.58 539.06,-377.01 0,-377.01 0,377.01 539.06,377.01 655.05,618.58 1082.52,618.58 1159.84,695.91 2706.3,695.91 2822.28,579.92 2976.93,579.92 2976.93,425.28 3208.9,425.28 3208.9,579.92 3363.54,579.92 3556.85,463.94 3885.47,463.94 3885.47,-463.94 3556.85,-463.94 3363.54,-579.92 3208.9,-579.92 3208.9,-425.28 2976.93,-425.28 2976.93,-579.92 2822.28,-579.92 2706.3,-695.91 1159.84,-695.91 1082.52,-618.58
GND on Bottom Layer "GND_L04_P008" (solid, pour order 7): 2912.8,210.34 2912.94,210.2 2976.18,210.2 2976.18,118.96 2975.12,117.91 2912.22,117.91
NetC55_2 on Bottom Layer "L04_COIL_IN_DC" (solid, pour order 5): 3456.78,211.35 3464.65,219.22 3464.65,278.28 3448.91,294.02 3232.37,294.02 3208.13,318.27 3130.2,318.27 3130.2,317.84 3121.05,308.69 3121.05,254.53 3164.24,211.35
+3V3 on Bottom Layer "L04_P005_DC" (solid, pour order 4): 3606.39,-264.85 3669.7,-328.16 3741.72,-328.16 3751.97,-317.91 3751.97,-274.61 3708.66,-231.3 3610.24,-231.3 3606.39,-235.15
NetC58_1 on Bottom Layer "L04_COIL_3V3_DC" (solid, pour order 3): 3232.37,128.67 3240.24,136.54 3448.91,136.54 3472.53,112.92 3472.53,70.32 3342.61,-59.6 3342.61,-205.98 3354.42,-217.79 3429.22,-217.79 3437.09,-225.66 3436.8,-225.95 3436.8,-288.94 3429.22,-296.53 3334.73,-296.53 3248.12,-296.53 3240.24,-288.65 3240.24,45.99 3232.37,53.87
GND on Top Layer "GND_L01_P002" (solid, remove dead copper, pour order 2): 655.05,-618.58 539.06,-377.01 0,-377.01 0,377.01 539.06,377.01 655.05,618.58 1082.52,618.58 1159.84,695.91 2706.3,695.91 2822.28,579.92 2976.93,579.92 2976.93,425.28 3208.9,425.28 3208.9,579.92 3363.54,579.92 3556.85,463.94 3885.47,463.94 3885.47,-463.94 3556.85,-463.94 3363.54,-579.92 3208.9,-579.92 3208.9,-425.28 2976.93,-425.28 2976.93,-579.92 2822.28,-579.92 2706.3,-695.91 1159.84,-695.91 1082.52,-618.58
+3V3 on Mid Layer 2 "+3V3_L03_P001" (solid, remove dead copper, pour order 1): 655.05,-618.58 539.06,-377.01 0,-377.01 0,377.01 539.06,377.01 655.05,618.58 1082.52,618.58 1159.84,695.91 2706.3,695.91 2822.28,579.92 2976.93,579.92 2976.93,425.28 3208.9,425.28 3208.9,579.92 3363.54,579.92 3556.85,463.94 3885.47,463.94 3885.47,-463.94 3556.85,-463.94 3363.54,-579.92 3208.9,-579.92 3208.9,-425.28 2976.93,-425.28 2976.93,-579.92 2822.28,-579.92 2706.3,-695.91 1159.84,-695.91 1082.52,-618.58
GND on Mid Layer 1 "GND_L02_P000" (solid, remove dead copper, pour order 0): 655.05,-618.58 539.06,-377.01 0,-377.01 0,377.01 539.06,377.01 655.05,618.58 1082.52,618.58 1159.84,695.91 2706.3,695.91 2822.28,579.92 2976.93,579.92 2976.93,425.28 3208.9,425.28 3208.9,579.92 3363.54,579.92 3556.85,463.94 3885.47,463.94 3885.47,-463.94 3556.85,-463.94 3363.54,-579.92 3208.9,-579.92 3208.9,-425.28 2976.93,-425.28 2976.93,-579.92 2822.28,-579.92 2706.3,-695.91 1159.84,-695.91 1082.52,-618.58

## Keep-outs
Top Layer:
  region: 2172.09,-479.08 2172.09,-451.52 2148.81,-451.52 2148.81,-479.08
  region: 2216.22,-397.31 2244.2,-369.32 2224.83,-349.95 2196.85,-377.94
  region: 2391.73,137.8 2391.73,169.58 2345.07,169.58 2345.07,137.8
  region: 2339.97,187.01 2339.97,218.8 2293.31,218.8 2293.31,187.01
  region: 2170.89,436.37 2190.74,456.22 2069.06,577.89 2049.21,558.05
  rectangle: 921.35,-137.8 1026.4,-22.03
  region: 2305.85,43.97 2333.84,71.96 2314.47,91.32 2286.49,63.34
  rectangle: 1531.1,-221.98 1630.67,-164.51
Mid Layer 2:
  region: 3447.63,59.06 3460.63,72.06 3460.63,282.3 3448.91,294.02 3232.37,294.02 3208.13,318.27 3130.2,318.27 3130.2,317.84 3121.05,308.69 3121.05,254.53 3166.92,208.66 3216.54,208.66 3232.28,192.91 3232.28,66.93 3240.16,59.06
Bottom Layer:
  region: 382.93,-243.6 382.93,-276.71 445.47,-276.71 445.47,-243.6
  region: 467.97,-283.74 467.97,-316.85 530.51,-316.85 530.51,-283.74
  region: 202.94,-172.43 202.94,-205.53 250.69,-205.53 250.69,-172.43
  region: 249.37,-225.14 249.37,-258.24 311.91,-258.24 311.91,-225.14
  region: 2296.67,-270.37 2296.67,-303.47 2359.21,-303.47 2359.21,-270.37
  region: 2106.42,-248.71 2106.42,-281.82 2168.97,-281.82 2168.97,-248.71
  region: 2175.62,-181.14 2152.21,-157.74 2107.99,-201.96 2131.4,-225.37
  rectangle: 2196.66,-88.58 2224.41,136.22
  region: 2115.93,443.98 2114.7,442.75 2114.7,293.42 2183.39,224.73 2262.13,224.73 2321.82,284.42 2321.82,365.18 2243.02,443.98
  lines w3.94: 1949.7,433.25 1949.7,-196.65 2071.17,-318.12 2210.91,-318.12
Keep-Out Layer:
  circle w0.04: c2405.59,-501.26 r48.23
  circle w0.04: c1400.85,-501.27 r48.23
  circle w0.04: c1400.85,501.27 r48.23
  circle w0.04: c2405.59,501.26 r48.23
  pour cut-out: 541.34,121.06 cw(c541.34,127.46) 541.34,133.86 699.8,133.86 771.65,205.71 771.65,314.96 cw(c778.05,314.96) 784.45,314.96 784.45,200.79 704.71,121.05 704.43,121.05 660.45,121.06
  pour cut-out: 541.34,121.06 cw(c541.34,127.46) 541.34,133.86 699.8,133.86 771.65,205.71 771.65,314.96 cw(c778.05,314.96) 784.45,314.96 784.45,200.79 704.71,121.05 704.43,121.05 660.45,121.06
  lines w0.04: 0,-377.01 0,0 0,377.01 539.06,377.01 655.05,618.58 1082.52,618.58 1159.84,695.91 2706.3,695.91 2822.28,579.92 2976.93,579.92 2976.93,425.28 3208.9,425.28 3208.9,579.92 3363.54,579.92 3556.85,463.94 3885.47,463.94 3885.47,231.97 3885.47,-231.97 3885.47,-463.94 3721.16,-463.94 3556.85,-463.94 3363.54,-579.92 3208.9,-579.92 3208.9,-425.28 2976.93,-425.28 2976.93,-579.92 2822.28,-579.92 2706.3,-695.91 1159.84,-695.91 1082.52,-618.58 655.05,-618.58 539.06,-377.01 0,-377.01
  lines w0.39: 541.34,121.06 660.45,121.06 704.43,121.05 704.71,121.05 784.45,200.79 784.45,246.06 784.45,314.96 ccw(c778.05,314.96) 771.65,314.96 771.65,257.87 771.65,205.71 699.8,133.86 647.64,133.86 541.34,133.86 ccw(c541.34,127.46) 541.34,121.06

## Silkscreen, mask and mechanical layers (free items; w line width, h text height)
Top Overlay:
  lines w3.94: 1236.22,-397.64 1381.89,-397.64 1381.89,-267.72 ; 1397.64,-362.2 1496.06,-413.39 ; 1480.31,-417.32 1496.06,-413.39 ; 1602.36,-397.64 1645.67,-437.01 1653.54,-464.57 ; 1645.67,-460.63 1653.54,-464.57 ; 3537.4,368.11 3537.4,328.74 3651.57,328.74 3663.39,293.31 ; 3655.51,297.24 3663.39,293.31 ; 1496.06,-413.39 1488.19,-397.64 1496.06,-413.39 ; 1653.54,-464.57 1657.48,-456.69 1653.54,-464.57 ; 3663.39,293.31 3667.32,301.18 3663.39,293.31
  text "Sz.G" at 3189.16,62.68 h39.37 r90
  text "by." at 3122.74,32.29 h35.43 r90
  text "v0.1" at 3004.16,5.95 h39.37 r90
  text "FC" at 3001.24,-109.24 h60 r90
  text "10-2025" at 3057.56,-113.73 h27.56 r90
Bottom Overlay:
  lines w3.94: 2283.46,-531.5 2283.46,-462.6 2303.15,-433.07 ; 2290,-437.5 2303.15,-433.07 ; 2303.9,-444.26 2303.15,-433.07 ; 3030.42,-145.06 3050.11,-125.38 3050.11,-36.8 3064.77,-21.28 ; 3049.87,-21.97 3064.77,-21.28 ; 3063.02,-33.38 3064.77,-21.28
Drill Drawing:
  drawing of 184 lines, arcs and shapes, not listed